# KiCad board k410t-devboard.kicad_pcb (continued)
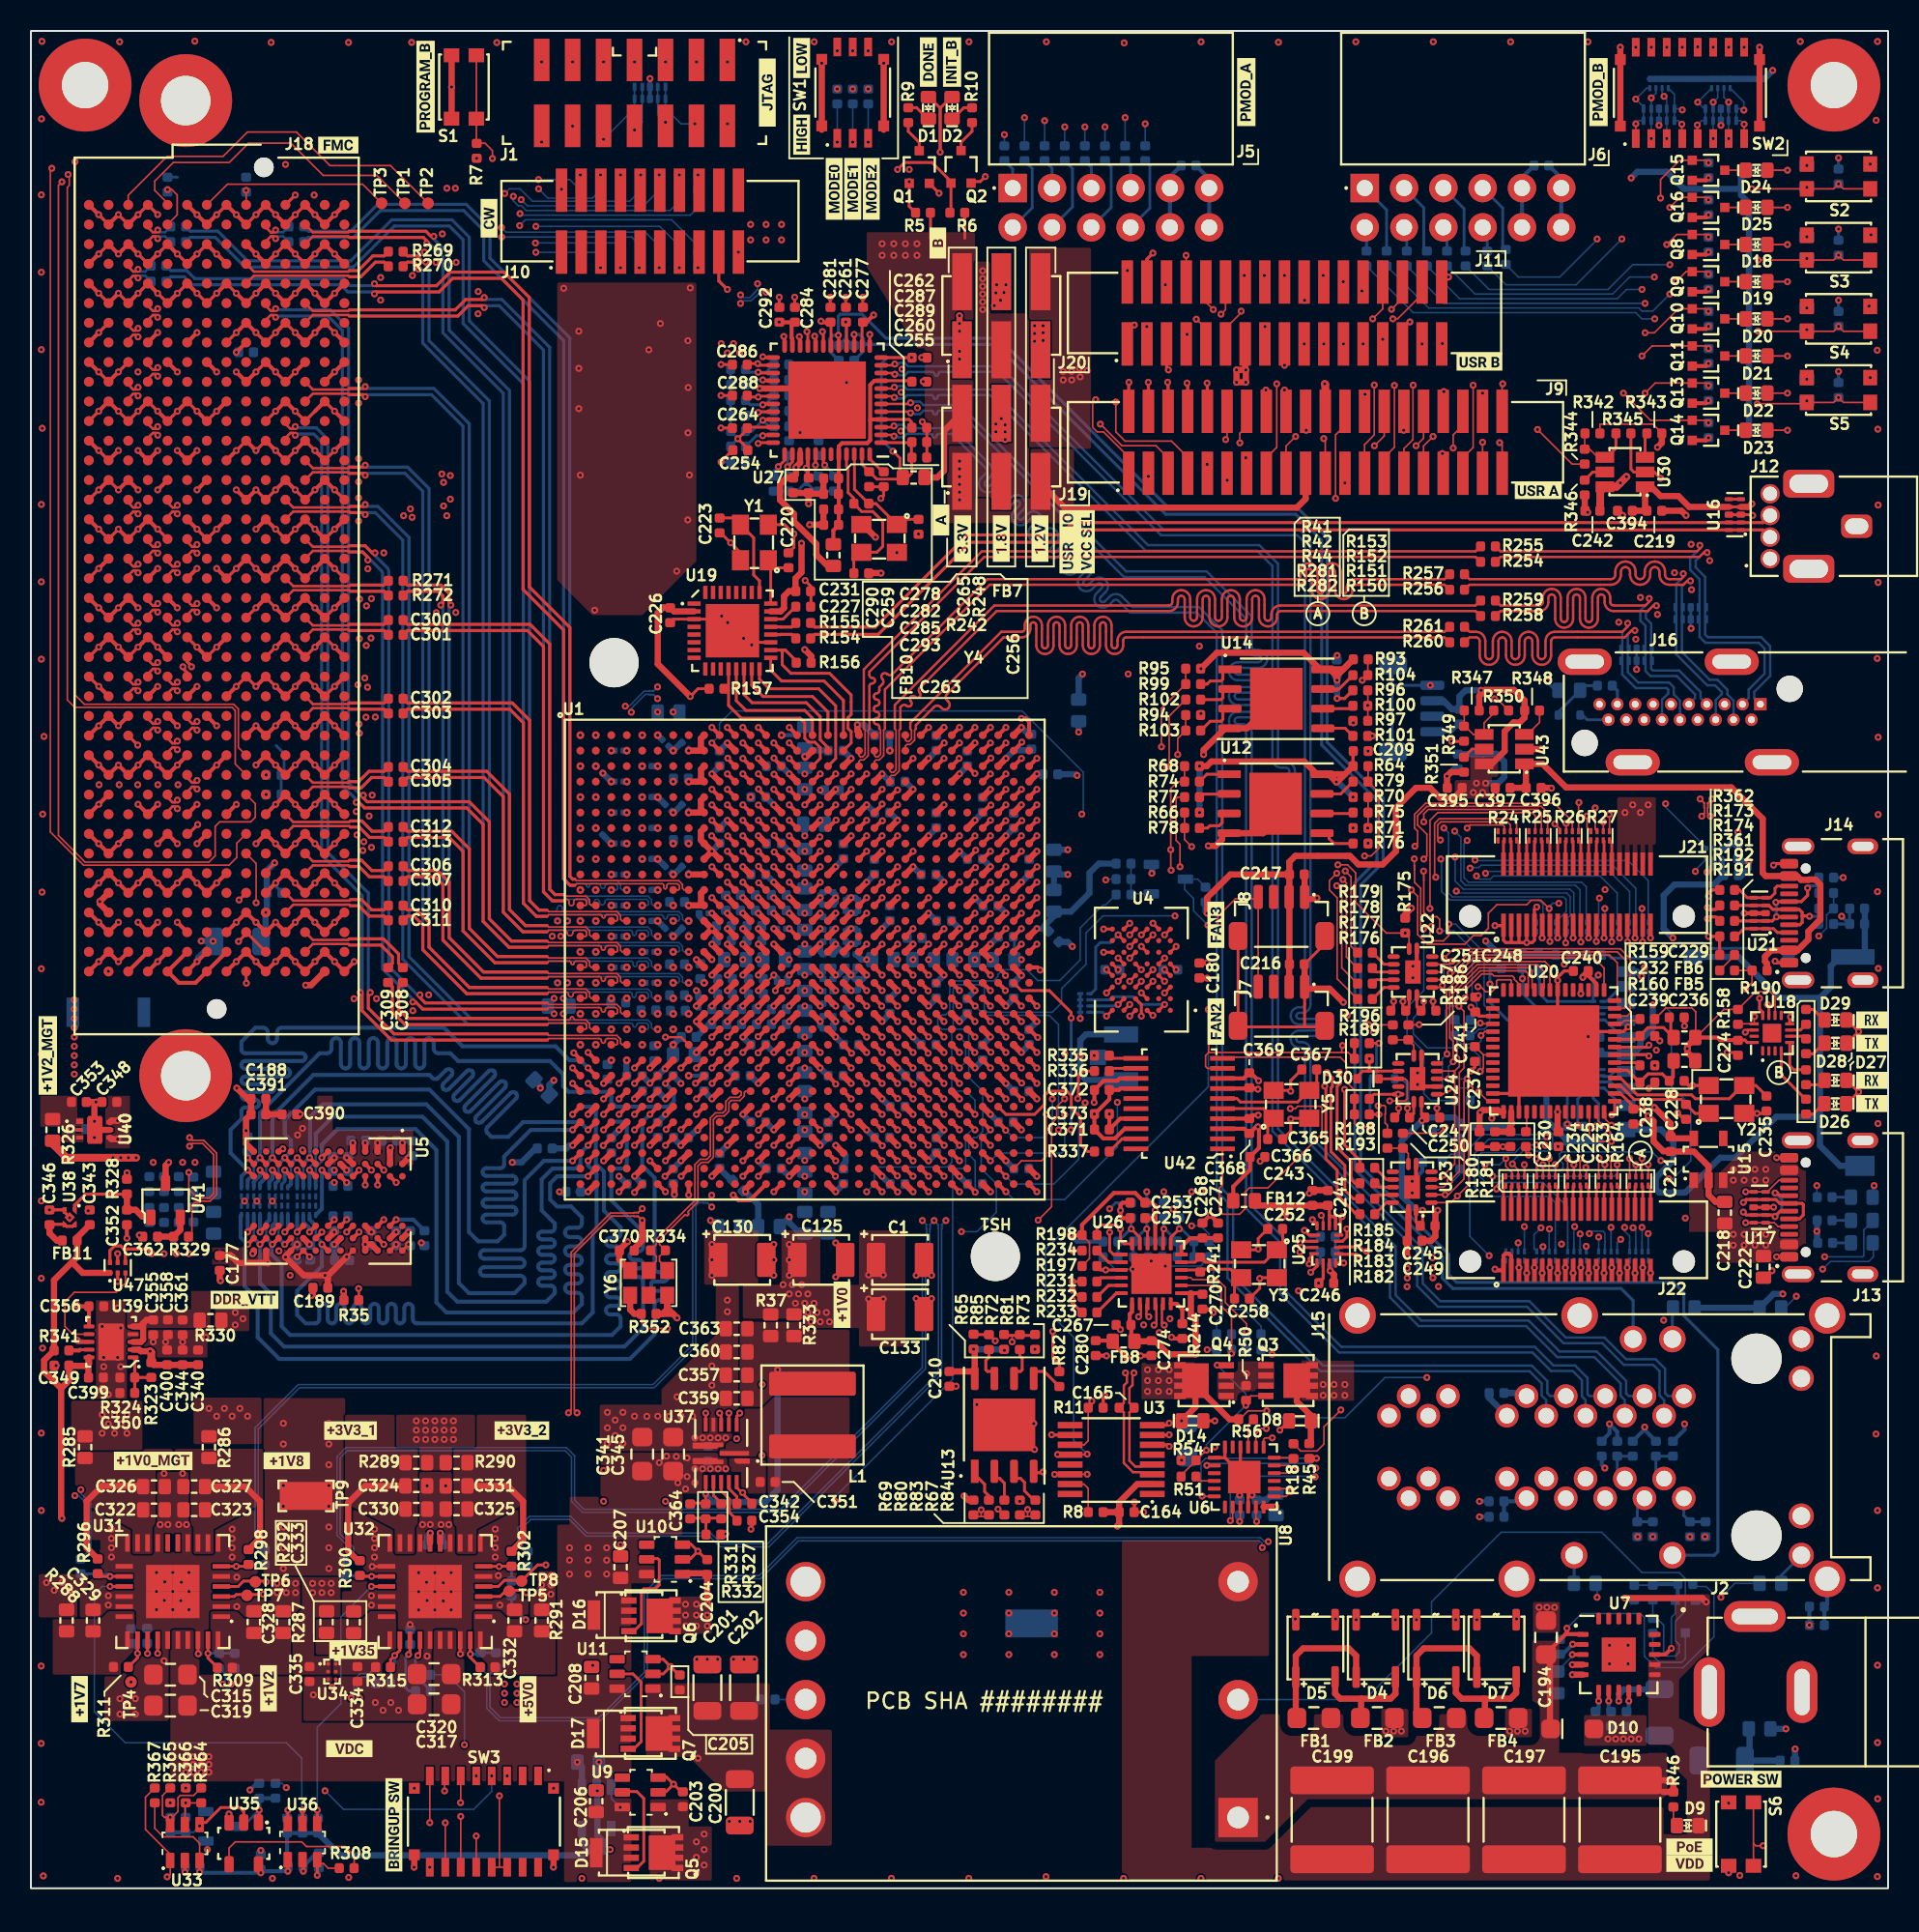
[diagram p0: board, top side]
## Routing (per net, layer and track width the routed paths; a pad name or vN(x,y) marks a point on that pad's centre or on a via; arc(x,y) is an arc through that point) (continued)
  vias: v1(0.68,114.32) v1(0.67,109.41) v1(0.67,104.41) v1(0.67,99.41) v1(0.73,94.33) v1(0.67,89.41) v1(0.67,84.41) v1(0.67,79.41) v1(0.72,64.36) v1(0.67,59.41) v1(0.67,53.89) v1(0.67,44.41) v1(0.67,39.41) v1(0.67,29.41) v1(0.67,24.41) v1(0.66,14.36) v1(0.66,9.36) v1(0.66,5.56) v1(0.84,74.42) v1(0.76,69.4) v1(0.75,34.9) v1(0.8,0.8) v1(4.6,36.3) v1(4.6,32.3) v1(4.7,34.3) v1(4.7,33.7) v1(5,31.9) v1(5,18.9) v1(5,18.3) v1(5.2,23.2) v1(5.2,22.6) v1(5.2,22) v1(5.2,21.4) v1(5.6,37.5) v1(5.6,34.3) v1(5.6,0.64) v1(5.73,119.3) v1(5.8,36.2) v1(5.8,33.7) v1(5.75,12.25) v1(5.75,11.25) v1(6.25,11.75) v1(6.75,12.25) v1(6.75,11.25) v1(6.92,97.97) v1(7.9,46.9) v1(7.9,35.3) v1(8.11,20.4) v1(8.11,19.18) v1(8.11,18) v1(8.35,23.5) v1(8.6,26.8) v1(8.62,18.6) v1(8.6,14.7) v1(8.7,35.3) v1(8.65,19.8) v1(8.85,23.5) v1(9.16,20.4) v1(9.16,19.18) v1(9.16,18) v1(9.55,23.5) v1(9.72,19.77) v1(9.69,18.58) v1(9.8,46.9) v1(9.8,35.3) v1(9.8,26.8) v1(10.05,23.5) v1(10.21,20.4) v1(10.21,19.18) v1(10.21,18) v1(10.59,119.34) v1(10.6,46.9) v1(11.3,35.6) v1(13,23.2) v1(13,22.6) v1(13,22) v1(13,21.4) v1(13.3,20.1) v1(13.3,18.2) v1(15.52,119.26) v1(15.6,0.64) v1(16.31,30.04) v1(16.31,28.7) v1(16.31,26.02) v1(16.31,24.68) v1(16.31,23.34) v1(16.31,22) v1(16.31,20.66) v1(18.25,12.5) v1(19.25,30.04) v1(19.25,28.7) v1(19.25,27.36) v1(19.25,26.02) v1(19.25,24.68) v1(19.25,23.34) v1(19.25,22) v1(19.25,20.66) v1(19.6,46.4) v1(20.52,119.26) v1(20.53,0.7) v1(20.88,57.47) v1(21.02,69.57) v1(21.18,97.45) v1(21.18,95.95) v1(21.18,92.37) v1(21.18,90.87) v1(21.18,89.83) v1(21.18,88.33) v1(21.22,74.62) v1(21.77,85.25) v1(21.75,77.6) v1(21.85,69.28) v1(22,83.33) v1(21.97,80.78) v1(22,18.9) v1(22,18.3) v1(22.05,70.63) v1(22.25,75.67) v1(22.2,23.2) v1(22.2,22.6) v1(22.2,22) v1(22.2,21.4) v1(22.25,12) v1(22.33,57.47) v1(22.6,104.07) v1(22.6,102.61) v1(22.8,86.28) v1(22.75,11.5) v1(23.25,12) v1(23.75,11.5) v1(24.6,119.26) v1(24.63,88.58) v1(24.65,104.2) v1(24.68,56.7) v1(24.77,6.46) v1(25.05,20.39) v1(25.05,19.16) v1(25.05,17.99) v1(25.3,23.5) v1(25.43,105.71) v1(25.6,26) v1(25.56,19.77) v1(25.6,18.59) v1(25.6,15) v1(25.7,57.72) v1(25.8,23.5) v1(25.77,1.36) v1(26.1,20.39) v1(26.1,19.16) v1(26.1,17.99) v1(26.17,105.05) v1(26.19,82.42) v1(26.5,23.5) v1(26.58,106.88) v1(26.55,91.38) v1(26.64,19.74) v1(26.64,18.56) v1(26.8,26) v1(26.87,88.68) v1(27,23.5) v1(27.15,20.39) v1(27.15,19.16) v1(27.15,17.99) v1(27.48,105.05) v1(27.45,82.43) v1(28.9,103.16) v1(28.89,101.73) v1(30,23.2) v1(30,22.6) v1(30,22) v1(30,21.4) v1(30.1,119.25) v1(30.2,20.2) v1(30.3,18.3) v1(33.77,6.46) v1(33.76,1.36) v1(34.03,62.5) v1(34.03,58.5) v1(34.29,109.78) v1(34.43,103.38) v1(35.4,100.6) v1(35.4,98.2) v1(35.4,95.6) v1(35.5,91.3) v1(35.5,74.5) v1(35.5,72.5) v1(35.5,70.5) v1(35.5,68.5) v1(35.5,66.5) v1(35.5,64.5) v1(35.5,62.5) v1(35.5,60.5) v1(35.5,58.5) v1(35.5,56.5) v1(35.5,54.5) v1(35.6,0.64) v1(36.43,82.58) v1(36.5,74.5) v1(36.5,72.5) v1(36.5,70.5) v1(36.5,68.5) v1(36.5,66.5) v1(36.47,64.5) v1(36.5,62.5) v1(36.5,60.5) v1(36.5,58.5) v1(36.5,56.5) v1(36.5,54.5) v1(37,27) v1(37,25) v1(37.25,30.75) v1(37.25,29.75) v1(37.25,28.75) v1(37.5,55.5) v1(37.5,53.5) v1(37.75,30.25) v1(37.75,29.25) v1(38.25,30.75) v1(38.25,29.75) v1(38.25,28.75) v1(38.5,73.5) v1(38.5,71.5) v1(38.5,69.5) v1(38.5,67.5) v1(38.5,65.5) v1(38.5,63.5) v1(38.5,61.5) v1(38.5,59.5) v1(38.5,57.5) v1(38.5,55.5) v1(39,30.5) v1(39.5,74.5) v1(39.5,54.5) v1(39.8,30.49) v1(39.93,99.4) v1(40.5,76) v1(40.5,60.5) v1(40.5,58.5) v1(40.5,56.5) v1(40.5,30.5) v1(40.6,0.64) v1(40.67,101.1) v1(41,25) v1(41.25,30.5) v1(41.5,55.5) v1(41.72,85.1) v1(41.75,31.75) v1(42,30.5) v1(42.45,99.99) v1(42.44,88.41) v1(42.47,96.96) v1(42.46,94.04) v1(42.5,61.5) v1(42.5,59.5) v1(42.5,57.5) v1(42.5,55.52) v1(42.6,103.4) v1(42.55,91.31) v1(42.75,30.5) v1(42.9,29.1) v1(43.03,14.8) v1(43.4,29.1) v1(43.5,58.5) v1(43.7,14.8) v1(43.9,29.1) v1(44,33.75) v1(44,32.5) v1(44.4,29.1) v1(44.38,14.8) v1(44.63,82.2) v1(44.9,29.1) v1(45.02,81.77) v1(45,60) v1(45,38) v1(45,37.25) v1(45.12,4.32) v1(45.4,14.8) v1(45.6,0.64) v1(45.72,105.71) v1(45.8,4.32) v1(45.99,25.56) v1(46.05,80.76) v1(46.07,14.8) v1(46.2,119.3) v1(46.5,70.5) v1(46.47,4.32) v1(46.57,80.33) v1(46.75,14.8) v1(47,60) v1(47.25,32.55) v1(47.24,27.97) v1(48,41.6) v1(48,40.6) v1(48,39.6) v1(50,67) v1(50,65) v1(50,62) v1(50,59) v1(50,55) v1(50,53) v1(50,50) v1(50,45) v1(50.61,119.3) v1(50.6,0.64) v1(52,41.7) v1(52,39.5) v1(52.1,118.72) v1(53.1,118.72) v1(54.1,118.72) v1(55.61,119.3) v1(55.6,0.64) v1(55.95,86.3) v1(56,60) v1(56.23,96.65) v1(56.21,94.15) v1(56.29,98.15) v1(57.2,39.6) v1(57.2,38.1) v1(57.28,95.64) v1(58.2,39.6) v1(58.19,38.1) v1(60.25,19.12) v1(60.25,17.78) v1(60.25,16.44) v1(60.25,15.1) v1(60.61,119.3) v1(60.6,0.64) v1(61,60) v1(61.12,31.25) v1(63.19,19.12) v1(63.19,17.78) v1(63.19,16.44) v1(63.19,15.1) v1(64.8,30.03) v1(64.85,28.35) v1(65.61,119.3) v1(65.59,0.75) v1(66.13,19.12) v1(66.13,17.78) v1(66.13,16.44) v1(66.13,15.1) v1(69.07,19.12) v1(69.07,17.78) v1(69.07,16.44) v1(69.07,15.1) v1(70.64,119.23) v1(70.6,0.64) v1(70.9,78.45) v1(71.9,36.4) v1(72.9,35.9) v1(73.6,36.8) v1(75.61,119.3) v1(75.6,0.64) v1(76.5,28.51) v1(80.61,119.27) v1(80.6,0.64) v1(84.4,79.65) v1(85.43,68.5) v1(85.61,119.3) v1(89.25,44.93) v1(89.3,58.82) v1(90.43,77.72) v1(90.61,119.3) v1(95.61,119.3) v1(98.65,58.65) v1(100.61,119.3) v1(102.6,81.8) v1(103.7,118.95) v1(103.7,80.7) v1(104,83.4) v1(104.7,118.95) v1(104.8,22.72) v1(104.93,53.16) v1(105.03,54.15) v1(105.1,82.3) v1(105.7,118.95) v1(106.2,85) v1(106.7,118.95) v1(107.27,86.83) v1(107.3,83.9) v1(107.37,51.87) v1(108.18,22.72) v1(108.47,85.78) v1(108.7,118.95) v1(109.7,118.95) v1(110.42,0.83) v1(110.7,118.95) v1(114.05,0.81) v1(114.33,119.32) v1(114.75,111.3) v1(114.75,106.7) v1(114.75,102.1) v1(114.75,97.5) v1(118.85,111.4) v1(118.85,97.6) v1(119.23,114.23) v1(119.24,34.39) v1(119.22,29.35) v1(119.32,119.32) v1(119.3,99.37) v1(119.34,94.27) v1(119.3,79.46) v1(119.32,64.39) v1(119.32,24.41) v1(119.32,19.41) v1(119.32,14.41) v1(119.32,9.41) v1(119.33,5.78) v1(119.31,0.76) v1(119.36,89.37) v1(119.36,84.37) v1(119.36,74.37) v1(119.36,69.37) v1(119.37,59.43) v1(119.35,49.41)
GNDD: length 7
  Top w0.4: v1(103,18.75) 108,18.75 v1(108.25,18.5) ; 102.45,1.65 C195.1
  Bottom w0.1: 103.6,18.62 103.13,18.62 v1(103,18.75) ; 107.55,18.48 108.23,18.48 v1(108.25,18.5)
VCC_USR_A: length 29.2
  Top w0.4: U1.M26 v1(61,64) ; U1.P20 v1(55,62) ; U1.N23 v1(58,63) ; U1.L29 v1(64,65) ; 65.24,90.88 65.24,90.76 66.8,89.2 81.8,89.2 82.37,89.77 82.37,91.42 ; U1.K22 v1(57,66) ; U1.J25 v1(60,67)
  Bottom w0.4: 64.5,65.5 v1(64,65) ; 55.5,62.5 v1(55,62) ; 58.5,62.5 v1(58,63) ; 60.5,66.5 v1(60,67) ; 61.5,63.5 v1(61,64) ; C6.2 v1(67,67.1) ; 57.5,65.5 v1(57,66)
  vias: v1(60,92.2) v1(60,91.7) v1(60,91.2) v1(60,90.7) v1(60,90.2) v1(60,89.7) v1(62.35,94.6) v1(62.35,94.1) v1(62.7,94.95) v1(62.95,94.55) v1(62.95,94.1) v1(62.95,93.6)
VCC_USR_B: length 49.4
  Top w0.201: v1(84.4,76.88) 84.89,76.88 85.41,77.4
  Top w0.4: v1(60,101.6) v1(60,101.1) ; U1.A29 v1(64,75) ; v1(75.6,75.9) 75.59,75.89 75.59,75.8 ; 84.4,78.3 84.4,78.3 v1(84.4,78.05) ; U1.E27 v1(62,71) ; U1.D30 v1(65,72) ; v1(84.4,78.05) 84.4,78.29 83.93,78.75 ; v1(84.4,78.05) 84.4,78.36 85.44,79.4 84.79,78.75 83.93,78.75 ; v1(78.5,98.1) v1(78.5,97.3) v1(77.9,97.3) v1(77.9,98.1) v1(78.5,98.1) ; v1(78.5,98.1) 78.46,98.14 78.46,99.71 ; U1.B26 v1(61,74) ; 83.93,78.75 83.31,78.75 82.24,79.83 76.62,79.83 v1(75.6,78.8) ; U1.F24 v1(59,70) ; U1.C23 v1(58,73) ; U1.H28 v1(63,68)
  In2.Cu w0.4: v1(60,101.6) v1(60,98.8)
  In7.Cu w0.4: v1(64,75) 74.7,75 v1(75.6,75.9) v1(75.6,78.8)
  Bottom w0.4: U1.F24 v1(59,70) ; C7.2 v1(67.7,74.7) ; v1(63,68) 63.47,68.47 63.5,68.47 ; v1(65,72) 65.35,72 65.38,71.97 ; v1(84.4,78.05) 84.4,78.05 v1(84.4,76.88) ; v1(64,75) 64.44,74.56 C21.2 ; U1.E27 v1(62,71) ; U1.B26 v1(61,74) ; 58.5,73.5 v1(58,73)
  vias: v1(60,100.6) v1(60,99.3) v1(62.25,102.25) v1(62.35,103.08) v1(62.4,103.6) v1(62.65,102.6) v1(62.88,103.1) v1(63,103.6) v1(64.85,100.95) v1(64.85,100.45) v1(64.85,99.95) v1(65.4,100.95) v1(65.4,100.5) v1(65.4,100)
12P0V: length 8
  Top w0.177: v1(15.75,66.25) 15.18,65.68 15.18,65.58
  Top w0.4: 5.02,59.23 v1(5,59.25) ; 5.02,63.04 4.45,63.61 v1(4.45,63.75) 5.02,64.31
  Bottom w0.4: 15.16,61.17 15.16,63.03 v1(15.18,63.04) 15.25,63.11 15.25,64.31 15.24,64.32 15.24,65.75 v1(15.75,66.25)
/Clocks/LVDS_XO_200M_ENA: length 95.5
  Top w0.1: v1(41.12,36.18) 39.85,36.18 39.43,36.59 39.43,37.11
  Top w0.256: U1.AD9 v1(43,51)
  Top w0.4: 39.43,37.11 38.99,37.11 38.72,37.38 38.72,38.31
  In7.Cu w0.1: v1(43,51) 43.47,51.47 43.47,53.18 43.2,53.45 41.53,53.45 41.03,53.95 38.1,53.95 36.03,56.03 18.12,56.03 17.7,55.6 11.75,55.6 11.1,56.25 7.18,56.25 5.1,54.18 5.1,51.6 7.28,49.43 7.28,45.25 16.35,36.18 v1(41.12,36.18)
/Clocks/PLL_XI: length 5.1
  Top w0.182: 77,50.38 79.68,50.38 Y5.1 79.91,49.37 79.91,48.4
/Clocks/PLL_XO: length 7.6
  Top w0.182: 77,51.03 77.93,51.03 78.15,50.8 81.85,50.8 Y5.3 83.09,52.03 83.09,52.9
/Clocks/PLL_Y0: length 1.8
  Top w0.184: 71.4,53.62 69.86,53.62 69.69,53.8
/Clocks/PLL_Y1: length 1.8
  Top w0.184: 71.4,52.97 69.86,52.97 69.69,52.8
/Clocks/PLL_Y4: length 2.1
  Top w0.184: U42.19 70.51,48.43 69.69,47.6
/Clocks/SYS.CLK_N: length 15.6
  Top w0.1: U1.AD11 45.82,51.5 45.9,51.43 45.9,51.27 45.73,51.1 45.16,51.1 44.9,50.84 44.9,50.28 44.72,50.1 44.23,50.1 43.9,49.77 43.9,47.32 43.68,47.1 43.25,47.1 42.9,46.75 42.9,44.44 40.42,41.96 40.42,41.6 40.03,41.21 40.42,40.83 40.42,40.51 39.92,40.01 Y6.5
/Clocks/SYS.CLK_P: length 15.8
  Top w0.1: 41.12,39.91 41.12,40.01 40.62,40.51 40.62,40.83 41,41.21 40.62,41.6 40.62,41.87 42.22,43.48 arc(42.28,43.51) 42.34,43.48 arc(42.4,43.46) 42.45,43.48 42.48,43.51 arc(42.5,43.57) 42.48,43.62 arc(42.46,43.68) 42.48,43.74 43.1,44.36 43.1,46.67 43.33,46.9 43.76,46.9 44.1,47.24 44.1,49.69 44.31,49.9 44.8,49.9 45.1,50.2 45.1,50.76 45.24,50.9 45.82,50.9 46.1,51.18 46.1,51.43 46.18,51.5 U1.AD12
/DC-DC Converters/EN1: length 54.2
  Top w0.177: v1(44.5,30.7) 44.6,30.6 44.6,29.95
  Top w0.182: v1(16.6,5.05) 16.6,5.05 U36.6
  In3.Cu w0.1: v1(16.6,5.05) 16.6,4.4 18.22,2.78 34.12,2.78 39.8,8.46 39.8,20.12 45.6,25.93 v1(45.6,29.05)
  In5.Cu w0.1: v1(45.6,29.05) 44.5,30.15 v1(44.5,30.7)
  Bottom w0.1: R318.1 16.55,5 v1(16.6,5.05)
/DC-DC Converters/EN2: length 29.2
  Top w0.182: U36.5 17.55,5.05 v1(17.55,5.05) ; 6.03,19.5 v1(5.11,19.5)
  Bottom w0.1: R321.1 v1(17.55,5.05) 17.5,5.1 17.5,8.4 16.5,9.4 6.1,9.4 4.1,11.4 4.1,19 4.6,19.5 v1(5.11,19.5)
/DC-DC Converters/EN3: length 18.7
  Top w0.182: 18.5,4.71 18.5,4.3 18.5,4.3 ; 18.5,4.71 U36.4 ; 18.5,4.71 18.5,5.05 v1(18.5,5.05) ; v1(22,19.5) U32.19
  Bottom w0.1: R322.1 18.55,5 v1(18.5,5.05) 18.5,10.4 20.03,11.93 20.03,17.53 v1(22,19.5)
/DC-DC Converters/FB1: length 3.7
  Top w0.182: 4.31,20.31 4.48,20.15 v1(5.11,20.15) 6.03,20.15
  Bottom w0.182: v1(5.11,20.15) 4.96,20.3 4.33,20.3 4.31,20.31 3.21,20.31
/DC-DC Converters/FB2: length 3.7
  Top w0.182: 14.06,20.91 13.95,20.8 v1(13.26,20.8) U31.6
  Bottom w0.182: 15.11,20.91 14.06,20.91 13.95,20.8 v1(13.26,20.8)
/DC-DC Converters/FB3: length 3.8
  Top w0.182: 11.44,16.04 v1(11.44,15.18) 11.44,14.88 12.04,14.27 12.04,14.25
  Bottom w0.182: v1(11.44,15.18) 11.45,15.19 13.16,15.19
/DC-DC Converters/FB4: length 2.8
  Top w0.182: 6.3,14.3 6.89,14.89 v1(6.89,15.18) 6.89,16.04
  Bottom w0.182: v1(6.89,15.18) 6.89,15.39 6.46,15.81
/DC-DC Converters/FB5: length 30.2
  Top w0.182: 22.97,20.15 21.3,20.15 21.25,20.2
  In3.Cu w0.4: v1(31.97,17.35) 31.97,16.53 33.2,15.3 33.2,12.1 32.2,11.1 25.4,11.1 22.8,13.7 22.8,19.9 22.55,20.15 v1(22.01,20.15)
  Bottom w0.182: 31.05,18.88 31.05,18.27 v1(31.97,17.35) ; 20.25,20.2 21.96,20.2 v1(22.01,20.15)
/DC-DC Converters/FB6: length 4.6
  Top w0.182: U32.6 30.24,20.8 v1(30.25,20.79) 30.26,20.8 31.05,20.8
  Bottom w0.182: v1(30.25,20.79) 30.26,20.8 31.05,20.8 ; 32.1,20.8 31.05,20.8 ; 31.05,20.8 31.05,19.85
/DC-DC Converters/FB7: length 3.7
  Top w0.182: 29.01,14.29 28.39,14.91 v1(28.39,15.12) 28.39,16.04
  Bottom w0.182: v1(28.39,15.12) 28.95,15.12 29.05,15.22
  Bottom w0.201: 29.05,15.22 30.05,15.22
/DC-DC Converters/FB8: length 3.9
  Top w0.182: 23.84,16.04 23.84,15.38 v1(23.5,15.04) 23.24,14.77 23.24,14.29
  Bottom w0.182: 23.24,13.24 23.24,14.29 23.5,14.55 v1(23.5,15.04)
/DC-DC Converters/MGTAVCC_local: length 8.1
  Top w0.4: C326.2 7.2,26 4.6,26 3.6,25 3.6,22 4.31,21.28
/DC-DC Converters/MGTAVTT_ILIM: length 0.6
  Top w0.177: U40.2 2.63,49 v1(2.58,49.05)
/DC-DC Converters/ON/OFF: length 10.5
  Top w0.1: 20.88,1.3 20.88,2.12 20.3,2.7 17.8,2.7 17.5,3 13.2,3 12.8,2.6 12.8,1.55
/DC-DC Converters/PB_CTRL.VDDR_EN: length 91.8
  Top w0.1: v1(65.08,43.17) 65.95,44.04 65.95,49.42 66.28,49.75 66.28,50.5 v1(66.79,51.01) ; 19.7,13.5 19.7,13.22 v1(19.46,12.98)
  Top w0.256: U1.Y29 63.99,55.01 v1(63.99,55)
  In3.Cu w0.1: v1(65.08,43.17) 65.08,38.59 64.47,37.98 62.54,37.98 59.21,34.65 54.55,34.65 54.54,34.66 43.02,34.66 40.07,31.71 37.31,31.71 36.05,30.45 36.05,26.03 31.56,21.54 31.56,18.5 33.76,16.3 33.76,11.54 32.35,10.13 20.49,10.13 19.46,11.16 v1(19.46,12.98)
  In7.Cu w0.1: v1(66.8,53.92) 66.12,54.6 64.38,54.6 v1(63.99,55)
  Bottom w0.1: v1(66.79,51.01) 66.8,51.02 v1(66.8,53.92)
/DC-DC Converters/PB_CTRL.~{PB_CTRL_CLR}: length 1.6
  Top w0.1: 8.5,5.12 8.5,5.99 9,6.49 9,6.49
/DC-DC Converters/PB_CTRL.~{PB_CTRL_INT}: length 3.2
  Top w0.1: 9.95,4.25 9.95,5.47 v1(10,5.51) 11,5.51
  Bottom w0.1: 10,4.59 v1(10,5.51)
/DC-DC Converters/PB_CTRL_OE: length 4.4
  Top w0.182: v1(14.75,5.05) 14.75,4.3 U35.1
  Bottom w0.182: v1(14.75,5.05) 13.7,4 13.45,4
  Bottom w0.256: v1(14.75,5.05) 14.75,5.81 15.8,5.81
/DC-DC Converters/PB_CTRL_OUT: length 6.1
  Top w0.182: U35.2 13.75,4.95 13.48,5.22 12.27,5.22 11.3,4.25 10.9,4.25
  Bottom w0.1: 10,3.62 10.49,3.62 v1(10.9,4.03)
  Bottom w0.256: 9,3.62 10,3.62
/DC-DC Converters/POE_DC: length 28.5
  In7.Cu w0.1: v1(16.5,6.5) 18.7,8.7 42.8,8.7 v1(43.1,8.4)
  Bottom w0.1: 15.8,6.78 16.22,6.78 v1(16.5,6.5)
/DC-DC Converters/QDCDC1_VCC: length 1.5
  Top w0.182: 7.53,16.03 v1(7.53,15.17)
  Bottom w0.182: 7.51,15.83 7.51,15.19 v1(7.53,15.17)
/DC-DC Converters/QDCDC2_GPIO: length 3.8
  Top w0.182: v1(25,15.04) 25.14,15.18 25.14,16.04
  Bottom w0.182: v1(25,15.04) 24.84,14.88 24.84,13.76 25.81,12.79 25.81,12.74
/DC-DC Converters/QDCDC2_VCC: length 4.6
  Top w0.182: v1(24.4,15.1) 24.49,15.19 24.49,16.04
  Bottom w0.182: 24.5,15.75 24.5,15.2 v1(24.4,15.1) 24.21,14.91 24.21,12.96 24.43,12.74 24.84,12.74
/DC-DC Converters/SENSE_1V0_N: length 93.4
  In3.Cu w0.1: v1(38.79,75.99) 38.55,75.99 38.02,75.46 35.01,75.46 33.59,74.04 33.59,62.34 34.06,61.87 34.06,61.69 v1(34.24,61.51)
  In7.Cu w0.1: v1(3.22,25.75) 2.98,25.75 2.48,26.25 2.48,38.17 3.22,38.91 3.22,43.85 1.88,45.19 1.88,58.3 4.14,60.56 33.8,60.56 34.06,60.82 34.06,61.34 v1(34.24,61.51)
  Bottom w0.1: v1(38.79,75.99) 38.79,76.23 39.7,77.14 39.94,77.14 NT34.2 ; v1(3.22,25.75) 3.22,25.51 3.86,24.87 3.86,21.74 4.31,21.28
/DC-DC Converters/SENSE_1V0_P: length 93.7
  In3.Cu w0.1: v1(38.41,76.37) 38.41,76.13 37.94,75.66 34.93,75.66 33.39,74.12 33.39,62.26 33.86,61.79 33.86,61.69 v1(33.69,61.51)
  In7.Cu w0.1: v1(33.69,61.51) 33.86,61.34 33.86,60.9 33.72,60.76 4.06,60.76 1.68,58.38 1.68,45.11 3.02,43.77 3.02,38.99 2.28,38.25 2.28,26.17 2.84,25.61 v1(2.84,25.37)
  Bottom w0.1: NT33.1 39.94,77.34 39.62,77.34 38.65,76.37 v1(38.41,76.37) ; 3.21,21.28 3.66,21.74 3.66,24.79 3.08,25.37 v1(2.84,25.37)
/DC-DC Converters/SENSE_1V2_N: length 157.8
  In3.Cu w0.1: v1(12.39,13.19) 12.56,13.37 12.56,15.55 11.64,16.47 5.25,16.47 3.81,17.91 3.81,32.87 1.66,35.02 1.66,108.11 4.52,110.97 11.76,110.97 13.57,112.78 25.26,112.78 27.25,110.79 27.25,110.02 v1(27.43,109.84)
  In5.Cu w0.1: v1(27.43,109.84) 27.25,109.67 27.25,107.75 32.23,102.77 45.68,102.77 v1(45.85,102.94)
  Bottom w0.1: 12.16,14.22 12.56,13.81 12.56,13.37 v1(12.39,13.19) ; v1(45.85,102.94) 46.03,102.77 46.46,102.77 46.67,102.98 NT37.2
/DC-DC Converters/SENSE_1V2_P: length 157.6
  In3.Cu w0.1: v1(12.94,13.19) 12.76,13.37 12.76,15.63 11.72,16.67 5.33,16.67 4.01,17.99 4.01,32.95 1.86,35.1 1.86,108.03 4.6,110.77 11.84,110.77 13.65,112.58 25.18,112.58 27.05,110.71 27.05,110.02 v1(26.88,109.84)
  In5.Cu w0.1: v1(45.85,102.39) 45.68,102.57 32.15,102.57 27.05,107.67 27.05,109.67 v1(26.88,109.84)
  Bottom w0.1: 13.16,14.22 12.76,13.81 12.76,13.37 v1(12.94,13.19) ; 46.83,102.84 46.81,102.84 46.54,102.57 46.03,102.57 v1(45.85,102.39)
/DC-DC Converters/SENSE_1V8_N: length 48.4
  Bottom w0.1: 14.06,21.88 14.49,22.31 14.49,29.76 17.27,32.54 40.19,32.54 42.76,35.11 42.76,44.17 43.09,44.5 43.44,44.5 NT35.2
/DC-DC Converters/SENSE_1V8_P: length 48.1
  Bottom w0.1: 15.11,21.88 14.69,22.31 14.69,29.68 17.35,32.34 40.27,32.34 42.96,35.03 42.96,44.09 43.17,44.3 43.44,44.3 NT36.1
/DC-DC Converters/SENSE_1V35_N: length 50.3
  Top w0.1: 38.97,43.41 38.95,43.43 37.53,43.43 35.11,41.01 35.11,30.9 v1(35.28,30.72)
  In3.Cu w0.1: v1(20.69,12.3) 20.86,12.47 20.86,27.45 25.14,31.73 34.68,31.73 35.11,31.3 35.11,30.9 v1(35.28,30.72)
  Bottom w0.1: v1(20.69,12.3) 20.86,12.47 20.86,13.46 21.26,13.86 21.84,13.86 22.26,14.29
/DC-DC Converters/SENSE_1V35_P: length 49.6
  Top w0.1: v1(34.74,30.72) 34.91,30.9 34.91,41.09 37.45,43.63 38.95,43.63 NT28.1
  In3.Cu w0.1: v1(34.74,30.72) 34.91,30.9 34.91,31.22 34.6,31.53 25.22,31.53 21.06,27.37 21.06,12.47 v1(21.24,12.3)
  Bottom w0.1: 22.26,13.24 21.84,13.66 21.34,13.66 21.06,13.38 21.06,12.47 v1(21.24,12.3)
/DC-DC Converters/SENSE_3V3_1_N: length 61.5
  Bottom w0.1: NT29.2 57.88,42.6 57.88,40.32 57.6,40.04 57.6,33.64 48.45,24.49 35.72,24.49 35.13,25.08 35.13,27.94 34.6,28.47 20.36,28.47 19.78,27.89 19.78,22.81 20.65,21.94 20.65,21.57 20.25,21.17
/DC-DC Converters/SENSE_3V3_1_P: length 61.5
  Bottom w0.1: 21.25,21.17 20.85,21.57 20.85,22.02 19.98,22.89 19.98,27.81 20.44,28.27 34.52,28.27 34.93,27.86 34.93,25 35.64,24.29 48.53,24.29 57.8,33.56 57.8,39.96 58.08,40.24 58.08,42.6 NT31.1
/DC-DC Converters/SENSE_3V3_2_N: length 43.8
  Bottom w0.1: NT30.2 58.84,42.6 58.84,33.22 47.68,22.06 44.53,22.06 43.84,22.75 35.87,22.75 34.79,23.83 32.29,23.83 31.68,23.21 31.68,22.2 32.1,21.77
/DC-DC Converters/SENSE_3V3_2_P: length 43.8
  Bottom w0.1: 31.05,21.77 31.47,22.2 31.47,23.3 32.21,24.03 34.87,24.03 35.95,22.95 43.92,22.95 44.61,22.26 47.6,22.26 58.64,33.3 58.64,42.6 NT32.1
/DC-DC Converters/SENSE_5V_N: length 148.6
  Top w0.1: v1(108.51,69.27) 108.34,69.44 108.34,69.81 108.36,69.83
  In7.Cu w0.1: v1(79.57,22.01) 79.81,22.01 80.42,21.4 81.74,21.4 82.53,22.19 97.63,22.19 98.55,23.11 102.61,23.11 103.29,23.79 109.05,23.79 118.33,33.07 118.33,37.77 116.78,39.32 116.78,62.38 115.35,63.81 114.04,63.81 112.87,64.98 110.34,64.98 108.34,66.98 108.34,69.09 v1(108.51,69.27)
  Bottom w0.1: 29.05,14.25 29.45,13.85 29.45,11.63 30.26,10.82 36.78,10.82 39.83,13.87 39.83,19.02 40.81,20 47.14,20 49.59,22.45 79.37,22.45 79.57,22.25 v1(79.57,22.01)
/DC-DC Converters/SENSE_5V_P: length 147.9
  Top w0.1: v1(107.96,69.27) 108.14,69.44 108.14,69.81 NT26.1
  In7.Cu w0.1: v1(107.96,69.27) 108.14,69.09 108.14,66.9 110.26,64.78 112.79,64.78 113.96,63.61 115.27,63.61 116.58,62.3 116.58,39.24 118.13,37.69 118.13,33.15 108.97,23.99 103.21,23.99 102.53,23.31 98.47,23.31 97.55,22.39 82.45,22.39 81.66,21.6 80.5,21.6 79.95,22.15 v1(79.95,22.39)
  Bottom w0.1: v1(79.95,22.39) 79.71,22.39 79.45,22.65 49.51,22.65 47.06,20.2 40.73,20.2 39.63,19.1 39.63,13.95 36.7,11.02 30.34,11.02 29.65,11.71 29.65,13.85 30.05,14.25
/DC-DC Converters/SEQ_EN: length 2.3
  Top w0.1: 19.91,1.3 19.2,1.3 18.9,1.6 18.5,1.6
  Top w0.182: 18.5,1.6 18.5,0.8
  vias: v1(18.5,0.84)
/DC-DC Converters/SW1: length 1.5
  Top w0.4: v1(25.8,22.95) 25.79,22.94 U32.12
  Bottom w0.4: v1(25.8,22.95) 25.62,22.76 25.62,22.2
/DC-DC Converters/SW2: length 1.4
  Top w0.4: v1(26.45,22.95) 26.44,22.94 26.44,22.31
  Bottom w0.4: v1(26.45,22.95) 26.59,22.81 26.59,22.2
/DC-DC Converters/~{PB_CTRL_IN}: length 118.5
  Top w0.1: 111.3,2.9 111.3,1.45 ; 111.3,2.9 111.3,5.55 ; 111.3,2.9 111.45,2.75 v1(111.93,2.75) ; 8,6.49 7.4,5.88 7.4,3.8 9,2.2 9,0.9 8.8,0.7
  In3.Cu w0.1: 8.8,0.7 8.8,1.4 9.41,2.01 34.61,2.01 37.4,4.8 43.2,4.8 46.22,1.78 110.95,1.78 v1(111.93,2.75)
  vias: v1(8.8,0.74)
/DRAM + SRAM/DDR.A0: length 44.2
  Top w0.256: U1.AE4 v1(38,50) ; 16.8,46 v1(16.4,46.4)
  In7.Cu w0.15: 16,47.03 16,47.38
  In7.Cu w0.157: v1(16.4,46.4) 16,46.8 16,47.03 ; v1(38,50) 37.5,50.5 36.78,50.5 36.3,50.97 33.07,50.97 30.14,53.9 29.62,53.9 arc(29.41,53.81) 29.32,53.6 29.32,53.46 arc(29.24,53.25) 29.03,53.16 arc(28.81,53.25) 28.72,53.46 28.72,54.12 arc(28.66,54.28) 28.5,54.34 28.35,54.34 arc(28.19,54.28) 28.12,54.12 28.12,53.46 arc(28.04,53.25) 27.82,53.16 arc(27.61,53.25) 27.53,53.46 27.53,54.12 arc(27.46,54.28) 27.3,54.34 27.15,54.34 arc(26.99,54.28) 26.93,54.12 26.93,53.63 arc(26.85,53.44) 26.65,53.36 26.6,53.36 arc(26.4,53.44) 26.32,53.63 26.32,54.12 arc(26.26,54.28) 26.1,54.34 25.95,54.34 arc(25.79,54.28) 25.72,54.12 25.72,53.65 arc(25.65,53.48) 25.48,53.41 25.37,53.41 arc(25.2,53.48) 25.12,53.65 25.12,54.12 arc(25.06,54.28) 24.9,54.34 24.75,54.34 arc(24.59,54.28) 24.53,54.12 24.53,53.65 arc(24.45,53.48) 24.28,53.41 24.17,53.41 arc(24,53.48) 23.93,53.65 23.93,54.12 arc(23.86,54.28) 23.7,54.34 23.55,54.34 arc(23.39,54.28) 23.32,54.12 23.32,53.63 arc(23.25,53.44) 23.05,53.36 23,53.36 arc(22.8,53.44) 22.72,53.63 22.72,54.12 arc(22.66,54.28) 22.5,54.34 22.35,54.34 arc(22.19,54.28) 22.12,54.12 22.12,53.65 arc(22.05,53.48) 21.88,53.41 21.77,53.41 arc(21.6,53.48) 21.53,53.65 21.53,54.12 arc(21.46,54.28) 21.3,54.34 21.15,54.34 arc(20.99,54.28) 20.93,54.12 20.93,53.9 20.92,53.9 20.92,53.65 arc(20.85,53.48) 20.68,53.41 20.57,53.41 arc(20.39,53.48) 20.32,53.65 arc(20.25,53.83) 20.07,53.9 19.1,53.9 15.5,50.3 15.5,47.97 16,47.47 16,47.38
  Bottom w0.201: 16.2,45.3 16.2,45.47 16.4,45.67 16.4,45.77
  Bottom w0.256: v1(16.4,46.4) 16.4,45.77
